# Altium PCB PROC114E3_BRD.PcbDoc (part 10 of 18) (continued)
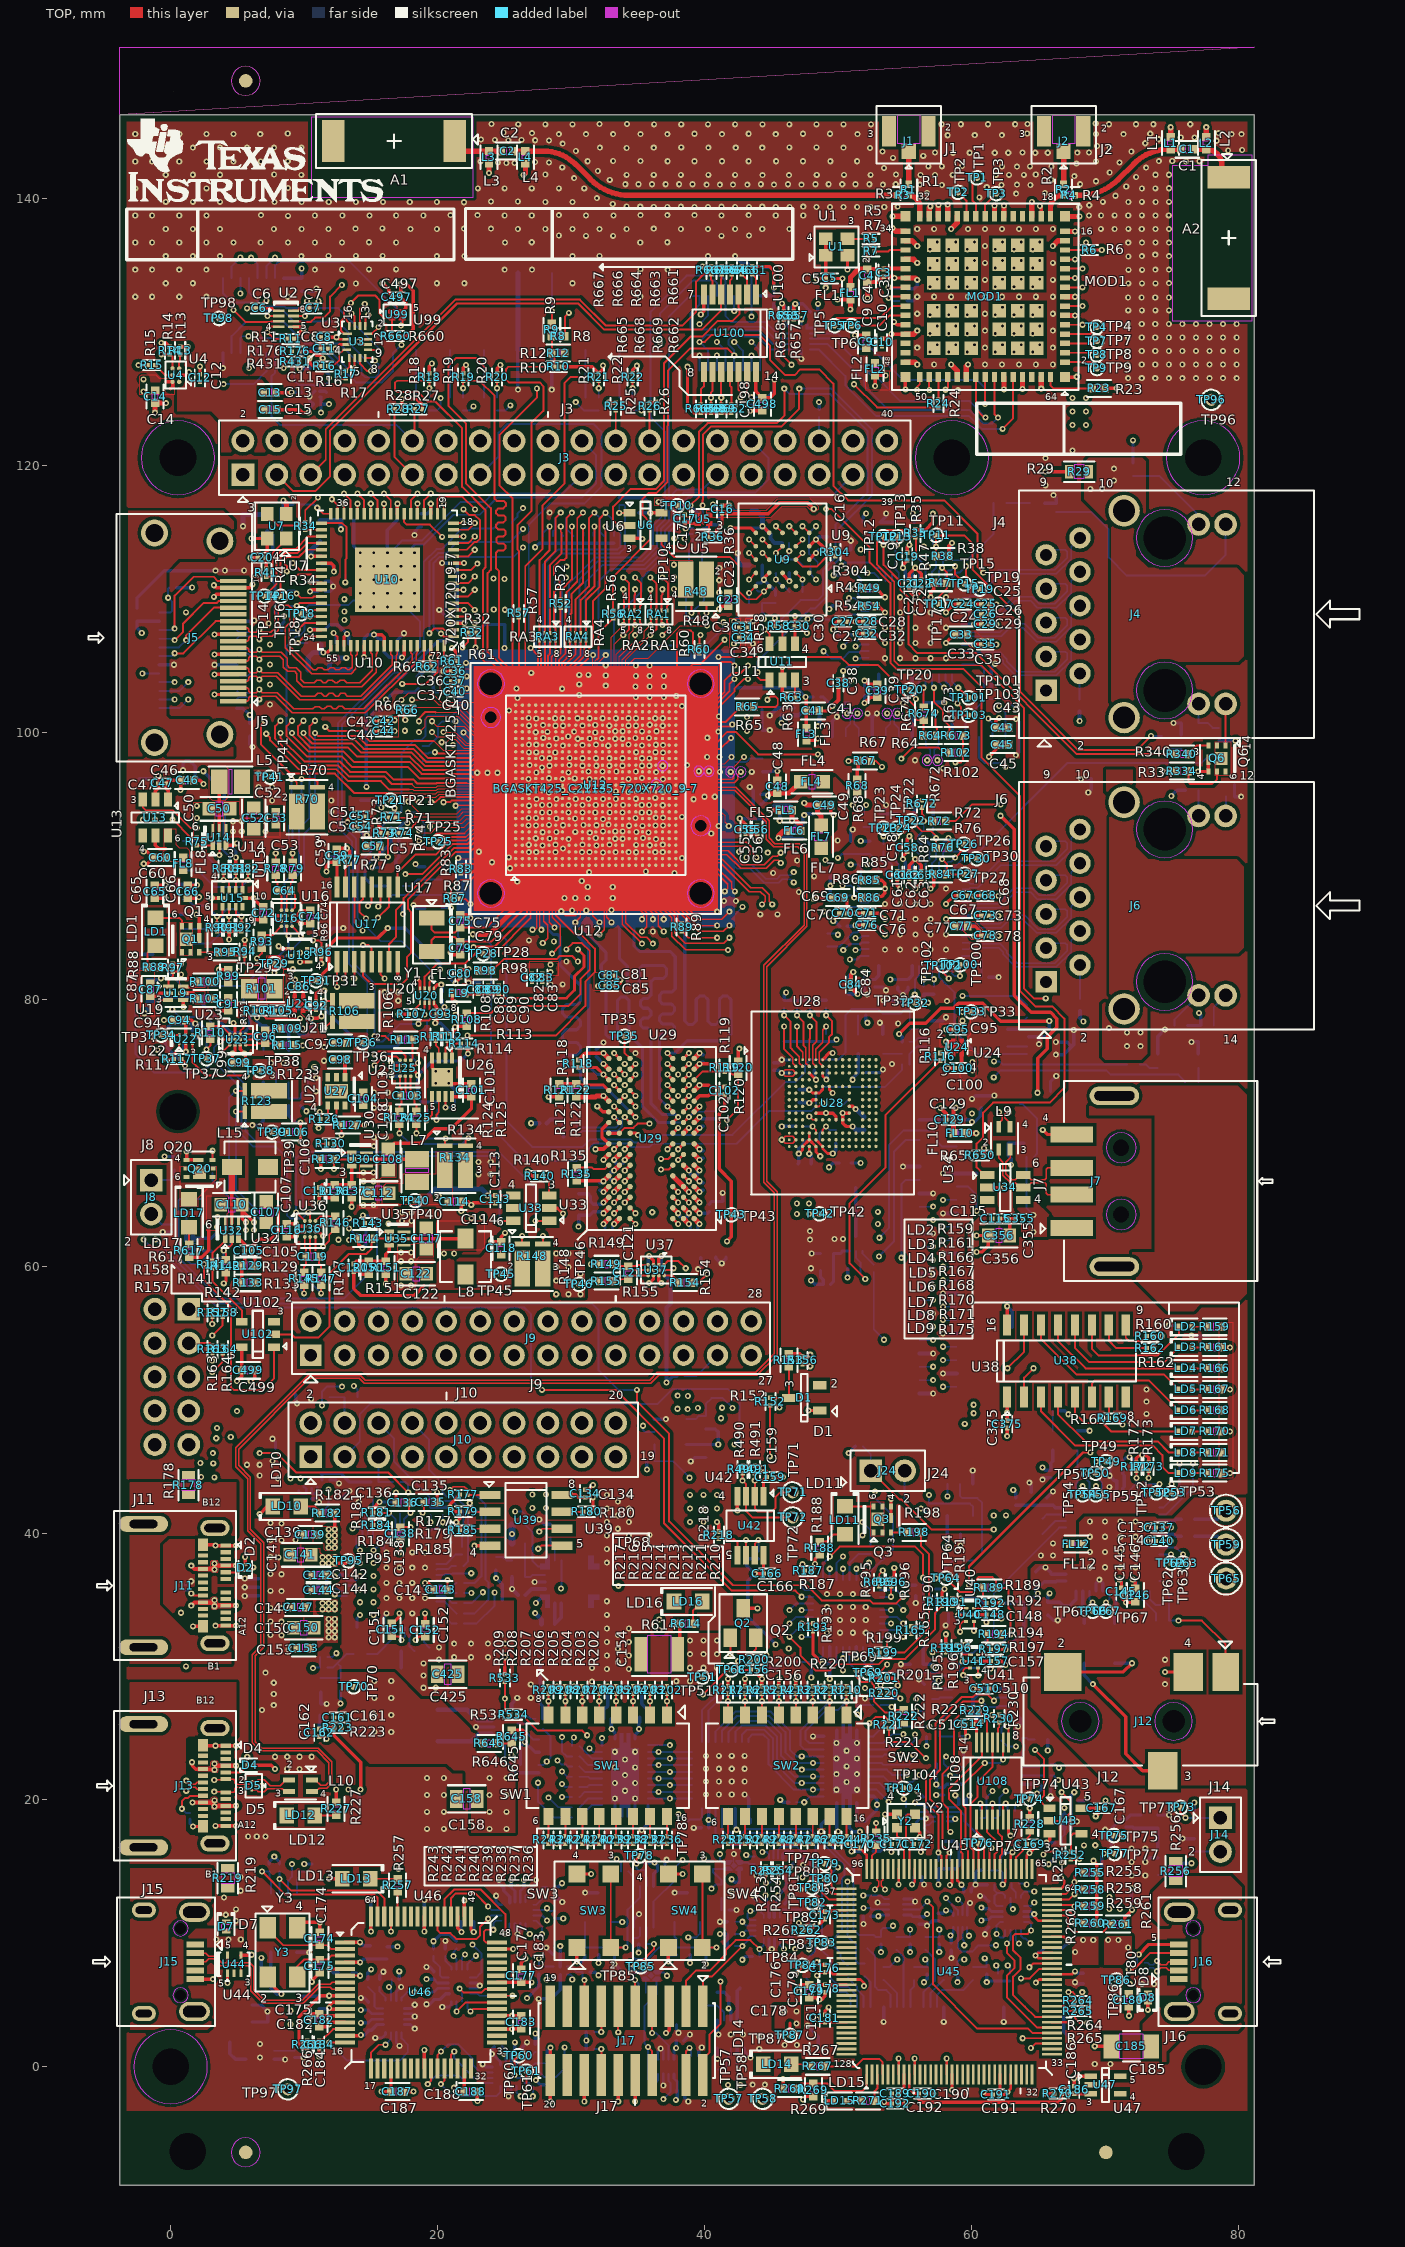
[diagram p0: TOP view]
## Nets (pads, with @x,y where several pads share a name; then routed paths per layer and width w, separated by ;. In a path a pad name is that pad's centre, name@x,y a point inside that pad or via, vN(x,y) a via of type N, cw(c..) or ccw(c..) an arc to the next point about the centre after c; other vN are vias at no path point) (continued)
  L08_SIG2 w0.091: v1(12.832,133.537) 13.176,133.194 20.881,133.194 21.939,132.136 31.314,132.136 33.282,134.103 43.012,134.103 44.351,135.442 v1(52.238,135.442)
N19066697:  | length 7.8
  TOP w0.081: 31.361,101.545 31.611,101.795 31.611,102.155 31.694,102.239 31.694,103.986 31.813,104.105 31.813,105.358 31.922,105.466
  TOP w0.147: 31.922,105.466 32.069,105.613 32.069,107.458 33.166,108.555 33.166,108.568
N19066711:  | length 1.3
  TOP w0.102: 33.86,101.045 34.302,101.045 v1(34.318,101.061)
  BOTTOM w0.147: v1(34.318,101.061) 34.318,101.875
N19066744:  | length 5.4
  TOP w0.081: v1(30.625,104.313) 31.138,103.8 31.138,102.592 30.86,102.314 30.86,102.045
  BOTTOM w0.147: v1(30.625,104.313) 30.625,107.116
N19619538:  | length 9
  TOP w0.406: 67.763,140.257 68.389,140.26 ccw(c68.053,144.91) 68.838,140.314 ccw(c68.16,144.281) 71.005,141.435 72.184,142.615 cw(c74.803,139.996) 73.092,143.281 cw(c74.825,139.955) 74.825,143.705 74.946,143.705 75.693,143.705
N19619542:  | length 4.2
  TOP w0.406: 76.673,143.705 77.615,143.705 cw(c77.615,142.577) 78.413,143.374 78.44,143.347 cw(c77.606,142.512) 78.786,142.512 78.787,141.609 79.297,141.609
N19619546:  | length 4.2
  TOP w0.406: 21.296,144.318 21.346,144.268 21.346,143.565 23.853,143.565 24.783,143.565
N19619550:  | length 29.8
  TOP w0.406: 25.763,143.565 26.578,143.565 26.585,143.558 27.976,143.558 cw(c27.976,140.231) 30.329,142.583 31.451,141.461 ccw(c34.358,144.367) 34.358,140.257 54.477,140.257
N19738714:  | length 1.9
  TOP w0.147: 39.137,33.208 39.137,34.172 39.824,34.859
N19738757: 
N19738770:  | length 1.4
  TOP w0.147: 3.144,67.968 v1(3.144,68.652)
  BOTTOM w0.147: 3.144,67.968 v1(3.144,68.652)
N19738786:  | length 1.3
  TOP w0.147: 1.389,61.642 1.389,62.903
N19859568:  | length 4.4
  BOTTOM w0.356: 20.017,26.761 22.236,26.761 23.031,25.965 24.049,25.965
N19859570:  | length 4.3
  BOTTOM w0.356: 20.017,24.391 22.537,24.391 23.111,24.966 24.049,24.966
N19859674:  | length 1.9
  BOTTOM w0.147: 25.049,24.065 25.049,22.878 25.275,22.652 25.628,22.652
N19859676:  | length 1.5
  BOTTOM w0.147: 25.974,25.715 26.921,25.715 27.317,25.319 27.33,25.319
N19859678:  | length 1.4
  BOTTOM w0.147: 25.974,26.216 26.842,26.216 26.977,26.081 27.33,26.081
N19859810:  | length 1.9
  BOTTOM w0.147: 25.974,25.216 26.48,25.216 27.156,24.539 27.61,24.539
N19880817:  | length 17.3
  TOP w0.147: 36.86,94.045 36.86,93.656 v1(36.905,93.612) ; v1(51.119,94.549) 51.449,94.879 51.449,95.507
  L03_SIG1 w0.091: v1(36.905,93.612) 37.334,94.041 38.647,94.041 38.876,93.812 41.797,93.812 42.457,93.152 43.409,93.152 43.59,93.334 43.598,93.334 43.645,93.381 45.074,93.381 45.582,93.889 46.699,93.889 47.233,93.355 48.496,93.355 49.69,94.549 v1(51.119,94.549)
N19880821:  | length 9.6
  TOP w0.147: 37.86,94.545 38.741,94.545 v1(39.192,94.996)
  BOTTOM w0.147: v1(39.192,94.996) 39.192,95.4 38.964,95.628 38.964,97.18 39.563,97.78 43.127,97.78 43.384,98.037 44.363,98.037
N19885322:  | length 4.7
  BOTTOM w0.147: 63.635,72.161 63.838,72.161 64.923,71.077 64.923,69.21 64.923,68.404 64.713,68.194
N20055845:  | length 6.7
  TOP w0.102: v1(30.483,101.061) 30.845,101.061 30.86,101.045
  BOTTOM w0.147: 29.863,107.116 29.863,106.763 30.193,106.433 30.193,101.351 v1(30.483,101.061)
N20063254:  | length 2.2
  TOP w0.147: 11.804,127.43 12.157,127.43 12.635,127.908 12.635,128.327 12.98,128.672 13.194,128.672
N20063258:  | length 1.1
  TOP w0.147: 13.12,127.112 13.39,127.382 13.39,127.597 13.394,127.601 13.394,128.072
N20066520:  | length 2.1
  BOTTOM w0.147: 55.008,42.599 55.008,44.667
N20174887:  | length 1.5
  BOTTOM w0.147: 66.107,47.662 66.107,49.157
N20174906:  | length 1.5
  BOTTOM w0.147: 67.957,44.702 67.957,46.212
N20175146:  | length 3.7
  TOP w0.147: 7.177,111.693 7.518,111.693 7.628,111.804 7.628,113.434 8.677,114.483 8.677,114.533
N20190775:  | length 11
  TOP w0.102: 27.361,99.545 v1(27.361,100.013)
  TOP w0.147: v1(22.842,106.362) 22.842,107.473
  L08_SIG2 w0.091: v1(22.842,106.362) 24.335,106.362 26.453,104.244 26.453,100.409 26.849,100.013 v1(27.361,100.013)
N20251391:  | length 1.7
  TOP w0.147: 43.574,134.357 43.86,134.07 43.86,132.821
N20251396:  | length 1.7
  TOP w0.147: 42.812,134.357 42.812,134.344 43.21,133.946 43.21,132.821
N20251401:  | length 2.5
  TOP w0.147: 41.91,127.021 41.91,125.984 42.022,125.872 42.022,124.532
N20252184:  | length 1.6
  TOP w0.147: 41.91,132.821 41.91,133.864 42.05,134.004 42.05,134.357
N20252766:  | length 2.6
  TOP w0.147: 39.736,124.532 39.736,125.715 39.96,125.939 39.96,127.021
N20284264:  | length 1.9
  BOTTOM w0.147: 1.186,62.092 1.186,64.04
N20285916:  | length 2.1
  TOP w0.147: 3.129,60.396 3.129,60.965 4.086,61.921 4.086,62.099
N20329347:  | length 2.1
  TOP w0.147: v1(59.161,81.754) 59.161,82.582
  BOTTOM w0.147: 58.567,82.503 58.567,81.921 58.734,81.754 v1(59.161,81.754)
N20329618:  | length 2.3
  TOP w0.147: v1(59.026,103.349) 59.495,102.88 59.521,102.88 59.806,102.595
  BOTTOM w0.147: 58.567,104.347 58.567,103.809 v1(59.026,103.349)
N20329675:  | length 2.2
  TOP w0.147: 57.895,82.521 57.895,81.977 v1(58.311,81.561)
  BOTTOM w0.147: 58.066,82.503 58.066,81.806 v1(58.311,81.561)
N20329693:  | length 4
  TOP w0.147: v1(58.961,102.181) 59.247,101.895 59.247,101.429 59.402,101.274 59.806,101.274
  BOTTOM w0.147: 58.066,104.347 58.066,103.84 58.417,103.49 58.417,102.725 v1(58.961,102.181)
N20467051:  | length 3.2
  BOTTOM w0.147: 58.554,26.381 58.103,26.381 57.627,25.905 57.627,24.754 58.599,24.754
N20467204:  | length 2.7
  BOTTOM w0.147: 63.818,23.118 63.818,23.584 63.983,23.749 63.983,24.13 63.799,24.313 63.799,24.641 64.152,24.641 64.279,24.514 64.756,24.514
N20497775:  | length 2.4
  TOP w0.147: 41.089,39.562 42.21,39.562 42.476,39.295 42.476,38.345
N20501068:  | length 1.6
  BOTTOM w0.147: 57.049,27.559 57.545,27.559 57.667,27.681 58.554,27.681
N20501071:  | length 1.7
  BOTTOM w0.147: 57.049,26.67 57.41,27.031 58.554,27.031
N20501104:  | length 1.6
  BOTTOM w0.147: 63.818,21.818 65.379,21.818
N20501107:  | length 1.7
  BOTTOM w0.147: 63.818,22.468 65.14,22.468 65.379,22.707
N20501313:  | length 2.2
  BOTTOM w0.147: 55.118,18.895 55.702,18.895 55.905,19.098 57.284,19.098
N20503848:  | length 2.3
  BOTTOM w0.147: 56.914,16.891 56.914,17.445 56.452,17.907 56.439,17.907 56.668,18.136 56.845,18.136 57.108,18.398 57.284,18.398
N20547674:  | length 1.8
  TOP w0.147: v1(60.679,19.744) 60.794,19.63 60.794,18.512
  BOTTOM w0.147: 60.679,19.185 v1(60.679,19.744)
N20547852:  | length 1.8
  TOP w0.147: 61.594,18.512 v1(61.594,19.744)
  BOTTOM w0.147: 61.594,19.185 v1(61.594,19.744)
N20548002:  | length 2
  TOP w0.147: 62.394,18.512 62.394,19.554 v1(62.584,19.744)
  BOTTOM w0.147: v1(62.584,19.744) 62.712,19.616 62.712,19.152
N20548130:  | length 2.1
  TOP w0.147: v1(62.706,25.5) 62.794,25.413 62.794,24.312
  BOTTOM w0.147: 62.253,25.009 62.253,25.353 62.4,25.5 v1(62.706,25.5)
N20548208:  | length 1.5
  TOP w0.147: 61.994,24.312 61.994,25.353 62.098,25.457 62.098,25.81
N20548250:  | length 2.7
  TOP w0.147: 60.576,26.665 60.588,26.665 60.837,26.416 60.934,26.416 61.194,26.157 61.194,24.312
N29443647:  | length 3.9
  TOP w0.147: 65.94,126.629 65.94,125.994 66.144,125.791 69.075,125.791
N29443870:  | length 1.7
  TOP w0.147: 57.54,124.921 57.54,126.629
OLDI_RESETN:  | length 30.6
  L08_SIG2 w0.091: v1(54.762,60.63) 54.47,60.338 54.47,48.374 56.841,46.004 v1(56.841,42.845)
  BOTTOM w0.147: v1(54.762,60.63) 54.762,66.142 55.08,66.459 56.112,66.459 ; v1(56.841,42.845) 56.841,42.204 59.904,42.204 60.113,41.995 60.113,41.293
OSC0:  | length 5
  TOP w0.147: 55.358,14.837 55.358,16.355 55.665,16.662 55.625,16.662 55.107,17.181 55.107,18.768 55.254,18.915 55.781,18.915
OSC1:  | length 3.3
  TOP w0.147: 54.432,17.915 54.432,17.322 54.574,17.18 54.574,16.662 54.958,16.278 54.958,14.837
OSPI0_CSN0:  | length 1.2
  TOP w0.102: 28.36,101.045 28.769,101.045 28.785,101.061 v1(28.818,101.061)
  BOTTOM w0.147: v1(28.818,101.061) 28.818,101.789
OSPI0_LBCLK:  | length 33
  TOP w0.147: 29.228,109.926 29.228,110.623 30.069,111.464 v1(30.069,115.428)
  L03_SIG1 w0.091: v1(30.069,115.428) 30.069,115.923 29.61,116.381 29.61,117.767 29.702,117.859 47.998,117.859 48.64,117.216 48.64,115.738 v1(48.357,115.455)
  BOTTOM w0.147: v1(48.357,115.455) 47.857,114.955 47.857,113.383 48.496,112.744 48.496,112.526
OSPI_CLK:  | length 36.5
  TOP w0.081: 29.111,104.502 29.111,104.098 28.989,103.977 28.989,102.464 29.111,102.342 29.111,101.795 29.361,101.545
  TOP w0.147: 29.111,104.502 29.111,105.438 29.596,105.923 29.596,109 29.67,109.073 29.67,110.508 30.473,111.311 30.473,116.041 v1(30.903,116.471)
  L03_SIG1 w0.091: v1(30.903,116.471) 31.446,115.929 31.834,115.929 32.201,115.561 32.201,115.227 32.521,114.907 44.56,114.907 45.794,113.673 45.794,111.892 v1(45.357,111.455)
  BOTTOM w0.147: 45.341,111.92 45.357,111.936 v1(45.357,111.455) 45.853,110.959 45.974,110.959 46.377,110.556 46.377,110.518
OSPI_CS:  | length 38.9
  TOP w0.147: 46.857,112.955 47.382,112.43 48.431,112.43 49.224,113.224 49.819,113.224
  L03_SIG1 w0.091: v1(29.665,112.425) 30.579,113.34 38.525,113.34 40.838,111.027 45.944,111.027 46.159,110.812 48.541,110.812 49.134,111.404 49.134,112.985 49.04,113.079 47.733,113.079 v1(47.357,113.455)
  BOTTOM w0.147: 28.818,102.349 28.818,112.122 29.121,112.425 v1(29.665,112.425)
OSPI_DQ0:  | length 35.3
  TOP w0.147: 27.645,107.459 27.645,112.917 28.4,113.672 v1(28.4,115.428) ; v1(45.357,113.455) 45.857,113.955
  L03_SIG1 w0.091: v1(28.4,115.428) 28.4,113.742 28.609,113.533 41.379,113.533 41.487,113.425 41.487,112.136 41.624,112 42.306,112 42.387,112.08 42.387,112.381 42.467,112.462 42.581,112.462 42.661,112.381 42.661,112.08 42.741,112 42.855,112 42.935,112.08 42.935,112.381 43.015,112.462 43.129,112.462 43.209,112.381 43.209,112.08 43.29,112 43.404,112 43.484,112.08 43.484,112.381 43.564,112.462 43.678,112.462 43.758,112.381 43.758,112.08 43.838,112 43.952,112 44.032,112.08 44.032,112.381 44.113,112.462 44.226,112.462 44.307,112.381 44.307,112.08 44.387,112 44.501,112 44.581,112.08 44.581,112.381 44.661,112.462 44.775,112.462 44.855,112.381 44.855,112.08 44.936,112 45.428,112 45.52,112.091 45.52,112.917 45.357,113.079 v1(45.357,113.455)
  BOTTOM w0.147: 27.888,114.726 27.888,114.916 v1(28.4,115.428)
OSPI_DQ1:  | length 35.4
  TOP w0.147: 28.844,107.459 28.844,107.787 28.74,107.891 28.74,110.552 29.128,110.94 29.128,111.397 28.74,111.785 28.74,112.446 29.23,112.936 29.506,112.936 29.653,113.083 29.653,116.056 v1(30.069,116.471)
  L03_SIG1 w0.091: v1(30.069,116.471) 30.069,116.847 29.989,116.928 29.895,116.928 29.803,117.019 29.803,117.574 29.895,117.665 47.674,117.665 47.822,117.518 47.822,116.529 48.195,116.155 48.195,115.952 47.822,115.579 47.822,114.544 47.733,114.455 v1(47.357,114.455)
  BOTTOM w0.147: v1(30.069,116.471) 29.638,116.041 29.638,115.275 30.174,114.739 30.174,114.726
OSPI_DQ2:  | length 34.8
  TOP w0.147: 28.444,107.459 28.444,112.567 29.279,113.401 29.279,114.98 29.234,115.024 v1(29.234,115.428)
  L03_SIG1 w0.091: v1(29.234,115.428) 29.234,115.052 29.154,114.972 28.683,114.972 28.603,114.891 28.603,114.778 28.683,114.697 29.154,114.697 29.234,114.617 29.234,114.503 29.154,114.423 28.683,114.423 28.603,114.343 28.603,114.229 28.683,114.149 29.154,114.149 29.234,114.068 29.234,113.867 29.376,113.726 41.61,113.726 41.702,113.635 41.702,112.8 41.818,112.684 42.061,112.684 42.141,112.764 42.141,112.984 42.222,113.064 42.335,113.064 42.416,112.984 42.416,112.764 42.496,112.684 42.61,112.684 42.69,112.764 42.69,112.984 42.77,113.064 42.884,113.064 42.964,112.984 42.964,112.764 43.045,112.684 43.158,112.684 43.239,112.764 43.239,112.984 43.319,113.064 43.433,113.064 43.513,112.984 43.513,112.764 43.593,112.684 43.707,112.684 43.787,112.764 43.787,112.984 43.868,113.064 43.981,113.064 44.062,112.984 44.062,112.764 44.142,112.684 44.256,112.684 44.336,112.764 44.336,112.984 44.416,113.064 44.53,113.064 44.61,112.984 44.61,112.764 44.691,112.684 44.909,112.684 45,112.775 45,113.27 44.906,113.364 44.906,113.931 44.815,114.022 44.449,114.022 44.357,113.931 v1(44.357,113.455)
  BOTTOM w0.147: v1(29.234,115.428) 29.234,114.904 29.412,114.726
OSPI_DQ3:  | length 36.1
  TOP w0.147: 28.045,107.459 28.045,112.783 28.831,113.569 28.831,116.068 v1(29.234,116.471) ; v1(44.357,114.455) 44.857,113.955
  L03_SIG1 w0.091: v1(29.234,116.471) 29.653,116.053 29.653,115.286 29.427,115.06 29.427,114.128 29.636,113.919 29.973,113.919 30.054,114 30.054,114.944 30.134,115.025 30.248,115.025 30.328,114.944 30.328,114 30.408,113.919 30.522,113.919 30.602,114 30.602,114.944 30.682,115.025 30.796,115.025 30.876,114.944 30.876,114 30.957,113.919 31.071,113.919 31.151,114 31.151,114.944 31.231,115.025 31.345,115.025 31.425,114.944 31.425,114 31.505,113.919 43.822,113.919 v1(44.357,114.455)
  BOTTOM w0.147: 28.65,114.726 28.65,115.08 28.809,115.239 28.809,116.046 v1(29.234,116.471)
OSPI_DQ4:  | length 33.7
  TOP w0.147: 30.727,107.459 30.727,109.912 31.752,110.937 v1(31.752,115.428)
  L03_SIG1 w0.091: v1(31.752,115.428) 31.752,114.227 31.866,114.112 32.21,114.112 32.291,114.193 32.291,114.553 32.371,114.633 32.485,114.633 32.565,114.553 32.565,114.193 32.645,114.112 32.759,114.112 32.839,114.193 32.839,114.553 32.919,114.633 33.033,114.633 33.113,114.553 33.113,114.193 33.194,114.112 33.308,114.112 33.388,114.193 33.388,114.553 33.468,114.633 33.582,114.633 33.662,114.553 33.662,114.193 33.742,114.112 33.856,114.112 33.936,114.193 33.936,114.553 34.017,114.633 34.13,114.633 34.211,114.553 34.211,114.193 34.291,114.112 34.405,114.112 34.485,114.193 34.485,114.553 34.565,114.633 34.679,114.633 34.759,114.553 34.759,114.193 34.84,114.112 35.832,114.112 35.912,114.193 35.912,114.528 35.992,114.609 36.106,114.609 36.186,114.528 36.186,114.193 36.267,114.112 36.38,114.112 36.461,114.193 36.461,114.528 36.541,114.609 36.655,114.609 36.735,114.528 36.735,114.193 36.815,114.112 36.929,114.112 37.009,114.193 37.009,114.528 37.09,114.609 37.203,114.609 37.284,114.528 37.284,114.193 37.364,114.112 38.948,114.112 39.029,114.193 39.029,114.532 39.109,114.613 39.223,114.613 39.303,114.532 39.303,114.193 39.383,114.112 39.497,114.112 39.577,114.193 39.577,114.532 39.658,114.613 39.771,114.613 39.852,114.532 39.852,114.193 39.932,114.112 40.046,114.112 40.126,114.193 40.126,114.532 40.206,114.613 40.32,114.613 40.4,114.532 40.4,114.193 40.48,114.112 40.594,114.112 40.675,114.193 40.675,114.532 40.755,114.613 40.869,114.613 40.949,114.532 40.949,114.193 41.029,114.112 41.143,114.112 41.223,114.193 41.223,114.532 41.303,114.613 41.417,114.613 41.498,114.532 41.498,114.193 41.578,114.112 41.692,114.112 41.772,114.193 41.772,114.532 41.852,114.613 41.966,114.613 42.046,114.532 42.046,114.193 42.126,114.112 43.015,114.112 v1(43.357,114.455)
  BOTTOM w0.147: 31.698,114.726 31.698,114.97 31.752,115.024 v1(31.752,115.428)
OSPI_DQ5:  | length 36.7
  TOP w0.147: 31.127,107.459 31.127,109.896 32.155,110.924 32.155,116.033 v1(32.586,116.464) ; v1(45.357,115.455) 45.857,114.955
  L03_SIG1 w0.091: v1(32.586,116.464) 32.292,116.464 32.201,116.555 32.201,116.953 32.299,117.051 34.275,117.051 34.355,116.971 34.355,116.236 34.436,116.156 34.549,116.156 34.63,116.236 34.63,116.971 34.71,117.051 34.824,117.051 34.904,116.971 34.904,116.236 34.984,116.156 35.098,116.156 35.178,116.236 35.178,116.971 35.259,117.051 35.474,117.051 35.565,116.96 35.565,116.303 35.8,116.068 36.997,116.068 37.077,116.148 37.077,116.301 37.157,116.381 37.271,116.381 37.351,116.301 37.351,116.148 37.432,116.068 37.546,116.068 37.626,116.148 37.626,116.301 37.706,116.381 37.82,116.381 37.9,116.301 37.9,116.148 37.98,116.068 38.094,116.068 38.174,116.148 38.174,116.301 38.255,116.381 38.368,116.381 38.449,116.301 38.449,116.148 38.529,116.068 38.643,116.068 38.723,116.148 38.723,116.301 38.803,116.381 38.917,116.381 38.997,116.301 38.997,116.148 39.078,116.068 39.191,116.068 39.272,116.148 39.272,116.301 39.352,116.381 39.466,116.381 39.546,116.301 39.546,116.148 39.626,116.068 39.74,116.068 39.82,116.148 39.82,116.301 39.901,116.381 40.014,116.381 40.095,116.301 40.095,116.148 40.175,116.068 40.289,116.068 40.369,116.148 40.369,116.301 40.449,116.381 40.563,116.381 40.643,116.301 40.643,116.148 40.724,116.068 40.837,116.068 40.918,116.148 40.918,116.301 40.998,116.381 41.112,116.381 41.192,116.301 41.192,116.148 41.272,116.068 41.386,116.068 41.466,116.148 41.466,116.301 41.547,116.381 41.66,116.381 41.741,116.301 41.741,116.148 41.821,116.068 41.935,116.068 42.015,116.148 42.015,116.301 42.095,116.381 42.209,116.381 42.289,116.301 42.289,116.148 42.369,116.068 42.483,116.068 42.564,116.148 42.564,116.301 42.644,116.381 42.758,116.381 42.838,116.301 42.838,116.148 42.918,116.068 45.834,116.068 45.926,115.976 45.926,115.631 45.749,115.455 v1(45.357,115.455)
  BOTTOM w0.147: v1(32.586,116.464) 33.086,115.964 33.086,115.261 33.222,115.125 33.222,114.726
OSPI_DQ6:  | length 36.5
  TOP w0.147: 30.328,107.459 30.328,108.796 30.333,108.801 30.333,109.935 31.345,110.947 31.345,116.065 v1(31.752,116.471) ; v1(46.357,115.455) 46.857,114.955
  L03_SIG1 w0.091: v1(31.752,116.471) 31.311,116.912 31.311,117.188 31.403,117.279 35.75,117.279 36.403,116.627 42.206,116.627 42.859,117.279 43.095,117.279 43.233,117.141 43.233,116.629 43.372,116.491 43.567,116.491 43.706,116.629 43.706,117.141 43.844,117.279 44.04,117.279 44.178,117.141 44.178,116.629 44.317,116.491 44.512,116.491 44.651,116.629 44.651,117.141 44.789,117.279 44.985,117.279 45.123,117.141 45.123,116.629 45.262,116.491 45.457,116.491 45.596,116.629 45.596,117.141 45.734,117.279 45.93,117.279 46.068,117.141 46.068,116.629 46.206,116.491 46.402,116.491 46.54,116.629 46.54,117.141 46.679,117.279 46.803,117.279 46.954,117.128 46.954,116.052 v1(46.357,115.455)
  BOTTOM w0.147: v1(31.752,116.471) 32.182,116.041 32.182,115.017 32.46,114.739 32.46,114.726
OSPI_DQ7:  | length 31
  TOP w0.147: 29.928,107.459 29.928,107.476 29.965,107.513 29.965,108.85 30.038,108.923 30.038,110.356 30.903,111.221 v1(30.903,115.428) ; v1(47.357,115.455) 47.857,114.955
  L03_SIG1 w0.091: v1(30.903,115.428) 30.479,115.852 30.479,117.127 30.825,117.472 35.83,117.472 36.421,116.881 37.697,116.881 38.288,117.472 46.939,117.472 47.357,117.054 v1(47.357,115.455)
  BOTTOM w0.147: v1(30.903,115.428) 30.903,115.024 30.936,114.991 30.936,114.726
OSPI_DQS:  | length 3.3
  TOP w0.147: 45.857,112.955 46.357,113.455 v1(46.357,113.587)
  BOTTOM w0.147: 46.357,114.212 v1(46.357,113.587) 46.357,112.944 46.946,112.944 47.364,112.526 47.376,112.526
OSPI_DQS_SOC:  | length 34.6
  TOP w0.081: 29.86,101.545 30.109,101.794 30.109,102.795 30.266,102.952 30.266,104.515 30.449,104.697
  TOP w0.147: 30.449,104.697 31.267,105.516 31.267,106.154 31.642,106.529 31.642,109.831 32.586,110.775 v1(32.586,115.428)
  L03_SIG1 w0.091: v1(32.586,115.428) 33.026,115.868 44.476,115.868 44.733,115.611 44.733,115.359 45.422,114.67 45.806,114.67 46.851,113.625 46.851,112.961 v1(48.357,111.455)
  BOTTOM w0.147: 47.936,112.526 47.936,111.876 v1(48.357,111.455)
OSPI_INTN:  | length 32
  TOP w0.102: 29.361,100.045 29.361,100.44 29.405,100.484 v1(29.405,100.502)
  L03_SIG1 w0.091: v1(29.631,111.597) 30.085,111.144 39.533,111.144 40.612,110.065 40.612,108.477 41.311,107.778 43.587,107.778 43.759,107.95 43.785,107.95 44.004,108.17 44.11,108.17 v1(44.452,108.511)
  BOTTOM w0.147: v1(29.405,100.502) 29.918,101.016 29.918,105.882 29.346,106.455 29.346,111.312 v1(29.631,111.597) ; v1(44.452,108.511) 44.452,108.915 44.332,109.035 44.332,109.706 45.332,109.706
OSPI_RSTN:  | length 11.8
  TOP w0.147: 36.794,114.559 36.794,114.082 37.719,113.157 41.91,113.157 42.545,112.522 42.545,110.617 43.18,109.982 43.887,109.982 v1(44.469,110.564)
  BOTTOM w0.147: 43.955,110.639 44.03,110.564 v1(44.469,110.564)
P2_PP_EXT_ENABLE:  | length 3.3
  BOTTOM w0.147: 14.699,30.928 15.464,30.928 16.77,32.235 16.77,32.915
PD_GPIO0:  | length 12
  L03_SIG1 w0.091: v1(12.421,30.988) 13.64,32.207 v1(13.64,40.335)
  BOTTOM w0.147: 11.737,30.692 12.125,30.692 v1(12.421,30.988) ; v1(13.64,40.335) 14.181,40.335 14.37,40.146 14.37,39.615
PD_GPIO2:  | length 3.3
  BOTTOM w0.147: 14.873,42.771 15.17,42.474 15.17,39.615
PD_HRESET:  | length 1.8
  BOTTOM w0.147: 18.77,32.915 18.77,32.409 18.988,32.192 18.988,31.811 19.394,31.405
PD_I2C_IRQ:  | length 2.5
  TOP w0.147: 53.103,36.017 53.992,36.017 v1(53.992,35.221)
  BOTTOM w0.147: 53.141,35.221 v1(53.992,35.221)
PD_M_I2C3_IRQ:  | length 1.9
  BOTTOM w0.147: 17.17,39.615 17.17,41.467
PD_M_I2C3_SCL:  | length 39.6
  TOP w0.147: v1(3.118,54.797) 3.9,55.579 3.9,56.219 ; 15.73,40.599 v1(16.37,40.599)
  L08_SIG2 w0.091: v1(3.118,54.797) 2.576,55.339 -1.636,55.339 -2.68,54.295 -2.68,45.744 1.272,41.793 7.99,41.793 8.655,41.128 15.466,41.128 15.994,40.599 v1(16.37,40.599)
  BOTTOM w0.147: 16.37,39.615 v1(16.37,40.599)
PD_M_I2C3_SDA:  | length 37.2
  TOP w0.147: v1(3.118,52.054) 3.9,52.837 3.9,53.477 ; 15.73,41.514 v1(16.37,41.514)
  L08_SIG2 w0.091: v1(3.118,52.054) 2.373,52.799 -1.636,52.799 -2.294,52.141 -2.294,45.904 1.432,42.179 8.15,42.179 8.815,41.514 v1(16.37,41.514)
  BOTTOM w0.147: v1(16.37,41.514) 16.854,41.03 16.854,40.269 16.77,40.185 16.77,39.615
PD_MS_I2C1_IRQ:  | length 1.3
  BOTTOM w0.147: 19.92,38.865 20.628,38.865 21.044,39.282 21.044,39.32
PD_MS_I2C1_SCL:  | length 44.7
  TOP w0.147: v1(3.118,55.661) 3.118,56.199 3.138,56.219
  L08_SIG2 w0.091: v1(3.118,55.661) 2.989,55.532 -1.716,55.532 -2.873,54.375 -2.873,45.664 1.192,41.6 5.035,41.6 6.29,40.345 8.899,40.345 9.489,40.935 15.25,40.935 15.961,40.223 16.551,40.223 17.283,40.956 17.283,41.359 17.814,41.89 19.04,41.89 19.481,41.449 v1(19.481,40.806)
  BOTTOM w0.147: 18.77,39.615 18.77,40.095 v1(19.481,40.806) 19.481,41.365
PD_MS_I2C1_SDA:  | length 41.1
  TOP w0.147: v1(3.118,52.918) 3.138,52.938 3.138,53.477
  L08_SIG2 w0.091: v1(3.118,52.918) 3.044,52.992 -1.716,52.992 -2.487,52.221 -2.487,45.824 1.352,41.986 8.07,41.986 8.735,41.321 15.575,41.321 15.758,41.138 16.753,41.138 17.697,42.083 19.12,42.083 v1(20.396,40.806)
  BOTTOM w0.147: 19.17,39.615 19.17,39.867 19.597,40.295 19.884,40.295 v1(20.396,40.806) 20.396,41.365
PD_S_I2C2_IRQ:  | length 50.2
  TOP w0.147: 53.103,36.577 53.103,36.923 v1(53.365,37.186)
  L08_SIG2 w0.091: v1(22.53,36.982) 22.53,36.932 21.692,36.093 21.692,35.128 22.047,34.773 24.587,34.773 25.019,35.204 25.019,35.916 26.01,36.906 27.711,36.906 28.118,37.313 34.036,37.313 36.881,40.157 36.881,44.526 38.227,45.872 42.774,45.872 43.231,46.33 45.466,46.33 51.46,40.335 52.273,40.335 53.365,39.243 v1(53.365,37.186)
  BOTTOM w0.147: 19.92,36.865 20.507,36.865 20.574,36.932 21.082,36.932 21.133,36.982 v1(22.53,36.982)
PD_S_I2C2_SCL:  | length 2.2
  BOTTOM w0.147: 19.92,37.665 20.636,37.665 21.375,38.404 21.477,38.404 21.479,38.406 21.819,38.406
PD_S_I2C2_SDA:  | length 1.6
  BOTTOM w0.147: 19.92,37.265 19.942,37.287 20.807,37.287 21.035,37.515 21.388,37.515
PD_SPI_CLK:  | length 47.8
  TOP w0.147: v1(27.624,40.104) 27.84,40.32 29.333,40.32
  L08_SIG2 w0.091: 1.36,49.159 0.26,48.059 0.26,44.112 1.748,42.625 8.351,42.625 9.048,41.928 14.517,41.928 15.399,42.809 16.463,42.809 16.651,42.621 21.336,42.621 22.174,41.783 23.241,41.783 23.901,42.443 25.908,42.443 26.913,41.439 26.913,40.815 v1(27.624,40.104) 28.016,39.711 28.016,38.659 27.432,38.075 24.892,38.075 23.622,36.805 23.622,35.789 v1(23.393,35.56)
  BOTTOM w0.147: 21.973,34.747 22.58,34.747 v1(23.393,35.56)
PD_SPI_MISO:  | length 40.8
  TOP w0.147: v1(22.413,42.236) 22.219,42.042 22.219,41.59 23.933,41.59
  L08_SIG2 w0.091: 1.36,51.699 2.554,50.505 2.554,46.257 1.816,45.519 1.807,45.519 1.716,45.428 1.716,44.206 2.911,43.011 11.471,43.011 11.828,42.654 13.576,42.654 14.529,43.607 21.619,43.607 22.413,42.813 v1(22.413,42.236)
  BOTTOM w0.147: 21.973,36.271 22.809,36.271 23.292,36.754 23.292,41.358 v1(22.413,42.236)
PD_SPI_MOSI:  | length 46.5
  TOP w0.147: v1(27.548,38.823) 27.775,39.05 29.333,39.05
  L08_SIG2 w0.091: -1.18,49.159 -0.08,48.059 -0.08,44.097 1.585,42.432 8.214,42.432 8.912,41.735 15.799,41.735 16.493,42.428 21.104,42.428 22.029,41.504 23.416,41.504 24.031,42.118 25.849,42.118 26.365,41.602 26.365,40.537 27.548,39.354 v1(27.548,38.823) 27.079,38.354 24.79,38.354 23.343,36.906 23.343,36.319 v1(22.532,35.509)
  BOTTOM w0.147: 21.973,35.509 v1(22.532,35.509)
PD_SPI_SS:  | length 40
  TOP w0.147: v1(20.923,43.221) 21.17,43.467 22.017,43.467 22.219,43.265 22.219,42.86 23.933,42.86
  L08_SIG2 w0.091: 1.36,46.619 1.36,43.342 1.884,42.818 11.333,42.818 11.768,42.384 13.496,42.384 13.579,42.383 14.609,43.414 20.73,43.414 v1(20.923,43.221)
  BOTTOM w0.147: v1(20.923,43.221) 22.51,43.221 23.598,42.133 23.598,36.497 23.825,36.27 23.825,35.023 22.787,33.985 21.973,33.985
PD_VIN_3V3:  | length 1.8
  TOP w0.381: 11.578,35.694 12.002,35.694 12.29,35.405 v1(12.296,35.405)
  BOTTOM w0.147: v1(12.296,35.405) 12.302,35.399 12.312,35.399 12.445,35.265 13.22,35.265
PMIC_STBY:  | length 6.8
  TOP w0.081: 22.112,92.161 22.746,92.795 26.11,92.795 26.36,93.045
  TOP w0.147: 20.036,91.806 20.392,92.161 22.112,92.161
PORZ_OUT:  | length 209.5
  TOP w0.102: 27.86,100.045 v1(28.239,100.045)
  TOP w0.147: -0.718,77.314 v1(0.102,77.314) 0.635,77.314 ; v1(52.363,25.74) 52.849,26.226 53.539,26.226 53.828,25.936 53.828,25.924 ; v1(59.171,32.598) 59.171,33.159 59.374,33.362 59.592,33.362 ; v1(59.399,29.347) 59.399,29.728 59.553,29.882 59.921,29.882
  L03_SIG1 w0.091: v1(0.102,77.314) 0.102,76.58 3.536,73.146 3.536,64.976 0.093,61.533 0.093,45.31 6.601,38.801 6.601,32.988 6.171,32.558 6.171,26.826 7.351,25.646 7.351,21.014 14.441,13.925 14.441,10.179 15.237,9.383 15.457,9.383 18.772,6.068 19.712,6.068 21.172,4.608 24.347,4.608 24.652,4.303 27.395,4.303 31.408,0.29 39.892,0.29 41.035,1.433 42.911,1.433 43.597,2.119 43.597,4.278 47.422,8.103 48.081,8.103 48.97,8.992 48.97,9.575 49.403,10.008 49.403,17.878 52.363,20.838 v1(52.363,25.74) ; v1(5.094,82.128) 5.094,82.668 2.903,84.859 2.903,86.745 3.454,87.296 3.454,88.194 3.403,88.245 3.403,89.682 4.732,91.011 5.166,91.011 5.479,91.324 8.393,91.324 9.868,92.799 9.868,95.464 13.825,99.422 13.825,101.335 15.327,102.837 19.845,102.837 20.208,102.474 20.613,102.474 23.115,99.972 24.868,99.972 26.516,101.62 27.796,101.62 28.411,101.006 28.411,100.592 28.239,100.421 v1(28.239,100.045) ; v1(59.171,32.598) 58.961,32.389 58.961,29.786 v1(59.399,29.347)
  L08_SIG2 w0.091: v1(0.102,77.314) 0.102,77.415 4.815,82.128 v1(5.094,82.128) ; v1(52.363,25.74) 53.111,26.488 53.111,27.838 54.305,29.032 54.915,29.032 55.423,28.524 58.576,28.524 v1(59.399,29.347)
  BOTTOM w0.147: v1(0.102,77.314) 0.406,77.009 0.406,76.756
PP1_CABLE:  | length 1.6
  TOP w0.147: 17.221,40.434 v1(17.97,40.434)
  BOTTOM w0.147: 17.97,39.615 v1(17.97,40.434)
PP2_CABLE:  | length 1.9
  BOTTOM w0.147: 17.97,32.915 17.97,32.409 17.903,32.342 17.903,31.506 18.259,31.151
PR0_PRU0_GPO0:  | length 151.6
  TOP w0.081: 31.361,102.045 31.361,102.314 31.507,102.461 31.507,104.029 31.651,104.173 v1(31.651,105.801)
  L03_SIG1 w0.091: v1(3.189,45.222) 2.838,44.872 1.552,44.872 0.286,46.138 0.286,61.408 3.729,64.851 3.729,73.638 1.614,75.753 1.614,77.684 1.436,77.861 1.436,83.018 0.232,84.222 0.232,91.8 1.36,92.927 1.36,94.724 1.724,95.089 4.226,95.089 7.018,97.881 9.852,97.881 12.263,100.292 12.263,101.958 16.325,106.02 20.381,106.02 20.605,105.795 31.269,105.795 31.275,105.801 v1(31.651,105.801) ; 25.737,45.707 25.033,45.002 25.033,37.831 25.998,36.866 25.998,30.443 24.287,28.732 24.287,24.024 27.026,21.285 v1(27.534,21.285)
  L08_SIG2 w0.091: v1(3.189,45.222) 3.976,45.222 5.114,46.36 8.288,46.36 10.041,44.607 24.637,44.607 25.737,45.707
  BOTTOM w0.147: v1(27.534,21.285) 27.534,19.849 28.695,18.687 30.087,18.687

## Text inside footprints (layer, text, board x,y; h text height)
U50: PIN_NUMBER "6" at -0.957,105.198 h0.25 r180; PIN_NUMBER "14" at 4.741,108.449 h0.25 r180; PIN_NUMBER "19" at 4.741,105.198 h0.25 r180; PIN_NUMBER "24" at 4.741,101.948 h0.25 r180; PIN_NUMBER "11" at -1.059,108.449 h0.25 r180; PIN_NUMBER "2" at -0.957,102.598 h0.25 r180; PIN_NUMBER "16" at 4.741,107.149 h0.25 r180; PIN_NUMBER "18" at 4.741,105.849 h0.25 r180; PIN_NUMBER "8" at -0.957,106.499 h0.25 r180; PIN_NUMBER "7" at -0.957,105.849 h0.25 r180; PIN_NUMBER "13" at 4.741,109.099 h0.25 r180; PIN_NUMBER "1" at -0.957,101.948 h0.25 r180; PIN_NUMBER "21" at 4.741,103.898 h0.25 r180; PIN_NUMBER "3" at -0.957,103.248 h0.25 r180; PIN_NUMBER "9" at -0.957,107.149 h0.25 r180; PIN_NUMBER "23" at 4.741,102.598 h0.25 r180; PIN_NUMBER "15" at 4.741,107.799 h0.25 r180; PIN_NUMBER "10" at -1.059,107.799 h0.25 r180; PIN_NUMBER "4" at -0.957,103.898 h0.25 r180; PIN_NUMBER "17" at 4.741,106.499 h0.25 r180; PIN_NUMBER "20" at 4.741,104.548 h0.25 r180; PIN_NUMBER "5" at -0.957,104.548 h0.25 r180; PIN_NUMBER "12" at -1.059,109.099 h0.25 r180; PIN_NUMBER "22" at 4.741,103.248 h0.25 r180; Bottom Overlay "24" at 6.871,101.664 h0.51; Bottom Overlay "13" at 6.769,108.802 h0.51; Bottom Overlay "12" at -0.851,109.716 h0.51
U51: PIN_NUMBER "20" at 54.736,82.503 h0.25 r270; PIN_NUMBER "23" at 53.236,82.503 h0.25 r270; PIN_NUMBER "21" at 54.236,82.503 h0.25 r270; PIN_NUMBER "22" at 53.736,82.503 h0.25 r270; PIN_NUMBER "49" at 55.613,85.876 h0.25; PIN_NUMBER "19" at 55.236,82.503 h0.25 r270; PIN_NUMBER "30" at 52.113,85.626 h0.25; PIN_NUMBER "41" at 54.736,89.503 h0.25 r270; PIN_NUMBER "27" at 52.113,84.126 h0.25; PIN_NUMBER "15" at 57.236,82.503 h0.25 r270; PIN_NUMBER "45" at 56.736,89.503 h0.25 r270; PIN_NUMBER "16" at 56.736,82.503 h0.25 r270; PIN_NUMBER "5" at 59.215,86.626 h0.25; PIN_NUMBER "8" at 59.215,85.126 h0.25; PIN_NUMBER "2" at 59.215,88.126 h0.25; PIN_NUMBER "44" at 56.236,89.503 h0.25 r270; PIN_NUMBER "1" at 59.215,88.626 h0.25; PIN_NUMBER "33" at 52.113,87.126 h0.25; PIN_NUMBER "38" at 53.236,89.503 h0.25 r270; PIN_NUMBER "28" at 52.113,84.626 h0.25; PIN_NUMBER "37" at 52.736,89.503 h0.25 r270; PIN_NUMBER "4" at 59.215,87.126 h0.25; PIN_NUMBER "7" at 59.215,85.626 h0.25; PIN_NUMBER "18" at 55.736,82.503 h0.25 r270; PIN_NUMBER "47" at 57.736,89.503 h0.25 r270; PIN_NUMBER "11" at 59.113,83.626 h0.25; PIN_NUMBER "35" at 52.113,88.126 h0.25; PIN_NUMBER "25" at 52.113,83.126 h0.25; PIN_NUMBER "34" at 52.113,87.626 h0.25; PIN_NUMBER "10" at 59.113,84.126 h0.25; PIN_NUMBER "6" at 59.215,86.126 h0.25; PIN_NUMBER "42" at 55.236,89.503 h0.25 r270; PIN_NUMBER "24" at 52.736,82.503 h0.25 r270; PIN_NUMBER "31" at 52.113,86.126 h0.25; PIN_NUMBER "46" at 57.236,89.503 h0.25 r270; PIN_NUMBER "17" at 56.236,82.503 h0.25 r270; PIN_NUMBER "12" at 59.113,83.126 h0.25; PIN_NUMBER "43" at 55.736,89.503 h0.25 r270; PIN_NUMBER "36" at 52.113,88.626 h0.25; PIN_NUMBER "26" at 52.113,83.626 h0.25; PIN_NUMBER "29" at 52.113,85.126 h0.25; PIN_NUMBER "9" at 59.215,84.626 h0.25; PIN_NUMBER "3" at 59.215,87.626 h0.25; PIN_NUMBER "32" at 52.113,86.626 h0.25; PIN_NUMBER "39" at 53.736,89.503 h0.25 r270; PIN_NUMBER "40" at 54.236,89.503 h0.25 r270; PIN_NUMBER "48" at 58.236,89.503 h0.25 r270; PIN_NUMBER "13" at 58.236,82.503 h0.25 r270; PIN_NUMBER "14" at 57.736,82.503 h0.25 r270; Bottom Overlay "24" at 53.337,81.138 h0.51 r270; Bottom Overlay "12" at 60.644,83.508 h0.51; Bottom Overlay "13" at 58.356,81.025 h0.51 r270; Bottom Overlay "25" at 51.651,83.082 h0.51; Bottom Overlay "36" at 51.805,88.665 h0.51; Bottom Overlay "37" at 53.989,90.087 h0.51; Bottom Overlay "48" at 58.637,90.087 h0.51
U52: PIN_NUMBER "7" at 62.62,77.233 h0.25 r180; PIN_NUMBER "4" at 56.82,78.533 h0.25 r180; PIN_NUMBER "6" at 62.62,77.883 h0.25 r180; PIN_NUMBER "1" at 56.82,76.583 h0.25 r180; PIN_NUMBER "5" at 62.62,78.533 h0.25 r180; PIN_NUMBER "2" at 56.82,77.233 h0.25 r180; PIN_NUMBER "3" at 56.82,77.883 h0.25 r180; PIN_NUMBER "8" at 62.62,76.583 h0.25 r180; Bottom Overlay "8" at 62.968,75.313 h0.51; Bottom Overlay "5" at 63.019,79.021 h0.51; Bottom Overlay "4" at 56.948,78.945 h0.51
U53: PIN_NUMBER "2" at 53.271,77.496 h0.25 r180; PIN_NUMBER "4" at 51.421,76.046 h0.25 r180; PIN_NUMBER "3" at 53.271,76.046 h0.25 r180; PIN_NUMBER "1" at 51.421,77.496 h0.25 r180; Bottom Overlay "4" at 50.954,74.415 h0.51; Bottom Overlay "3" at 54.129,74.39 h0.51; Bottom Overlay "2" at 53.367,78.505 h0.51
U54: PIN_NUMBER "3" at 6.717,73.777 h0.25 r270; PIN_NUMBER "5" at 8.617,76.177 h0.25 r270; PIN_NUMBER "1" at 8.617,73.777 h0.25 r270; PIN_NUMBER "2" at 7.667,73.777 h0.25 r270; PIN_NUMBER "4" at 6.717,76.177 h0.25 r270; DISPLAY_BOTTOM "5" at -7.361,73.009 h0.51 r270; DISPLAY_BOTTOM "4" at -7.369,72.997 h0.51 r270; Bottom Overlay "3" at 7.037,72.586 h0.51
U56: PIN_NUMBER "4" at 50.619,62.238 h0.25 r270; PIN_NUMBER "6" at 51.619,62.238 h0.25 r270; PIN_NUMBER "3" at 50.619,61.138 h0.25 r270; PIN_NUMBER "2" at 51.119,61.138 h0.25 r270; PIN_NUMBER "5" at 51.119,62.238 h0.25 r270; PIN_NUMBER "1" at 51.619,61.138 h0.25 r270; Bottom Overlay "6" at 52.871,62.486 h0.64 r270; Bottom Overlay "4" at 50.366,62.168 h0.64
U58: PIN_NUMBER "3" at 36.15,48.664 h0.25 r180; PIN_NUMBER "4" at 38.55,48.664 h0.25 r180; PIN_NUMBER "1" at 36.15,46.764 h0.25 r180; PIN_NUMBER "2" at 36.15,47.714 h0.25 r180; PIN_NUMBER "5" at 38.55,46.764 h0.25 r180; Bottom Overlay "5" at 38.787,45.383 h0.51; Bottom Overlay "4" at 38.812,49.142 h0.51; Bottom Overlay "3" at 35.307,48.202 h0.51
U59: PIN_NUMBER "2" at 67.855,47.662 h0.25 r180; PIN_NUMBER "4" at 66.005,46.212 h0.25 r180; PIN_NUMBER "3" at 67.855,46.212 h0.25 r180; PIN_NUMBER "1" at 66.005,47.662 h0.25 r180; Bottom Overlay "4" at 65.076,45.188 h0.51; Bottom Overlay "3" at 69.419,46.255 h0.51; Bottom Overlay "2" at 69.343,47.982 h0.51
U60: PIN_NUMBER "6" at 47.041,128.714 h0.25 r270; PIN_NUMBER "11" at 45.984,130.188 h0.25; PIN_NUMBER "7" at 46.315,128.588 h0.25; PIN_NUMBER "8" at 46.315,128.988 h0.25; PIN_NUMBER "1" at 47.818,130.188 h0.25 r0.05; PIN_NUMBER "9" at 46.315,129.388 h0.25; PIN_NUMBER "10" at 45.984,129.788 h0.25; PIN_NUMBER "12" at 46.939,130.315 h0.25 r270; PIN_NUMBER "5" at 47.615,128.588 h0.25; PIN_NUMBER "4" at 47.615,128.988 h0.25; PIN_NUMBER "3" at 47.615,129.388 h0.25; PIN_NUMBER "2" at 47.615,129.788 h0.25; Bottom Overlay "11" at 45.745,130.031 h0.51; Bottom Overlay "7" at 45.682,128.304 h0.51; Bottom Overlay "6" at 47.917,127.212 h0.51; Bottom Overlay "5" at 49.365,128.329 h0.51
U62: PIN_NUMBER "B1" at 10.369,42.431 h0.25; PIN_NUMBER "A2" at 9.969,42.83 h0.25; PIN_NUMBER "A1" at 10.369,42.83 h0.25; PIN_NUMBER "B2" at 9.969,42.431 h0.25
U63: PIN_NUMBER "8" at 3.693,128.444 h0.25 r270; PIN_NUMBER "16" at 8.141,134.044 h0.25 r270; PIN_NUMBER "14" at 6.841,134.044 h0.25 r270; PIN_NUMBER "11" at 4.891,134.044 h0.25 r270; PIN_NUMBER "5" at 5.643,128.444 h0.25 r270; PIN_NUMBER "2" at 7.593,128.444 h0.25 r270; PIN_NUMBER "12" at 5.541,134.044 h0.25 r270; PIN_NUMBER "9" at 3.693,134.044 h0.25 r270; PIN_NUMBER "7" at 4.343,128.444 h0.25 r270; PIN_NUMBER "4" at 6.293,128.444 h0.25 r270; PIN_NUMBER "3" at 6.943,128.444 h0.25 r270; PIN_NUMBER "6" at 4.993,128.444 h0.25 r270; PIN_NUMBER "10" at 4.241,134.044 h0.25 r270; PIN_NUMBER "13" at 6.191,134.044 h0.25 r270; PIN_NUMBER "1" at 8.243,128.444 h0.25 r270; PIN_NUMBER "15" at 7.491,134.044 h0.25 r270; Bottom Overlay "16" at 9.183,135.02 h0.51; Bottom Overlay "9" at 3.783,135.668 h0.51 r180; Bottom Overlay "8" at 3.659,127.323 h0.51
U65: PIN_NUMBER "14" at 42.555,132.721 h0.25 r270; PIN_NUMBER "8" at 39.406,127.121 h0.25 r270; PIN_NUMBER "16" at 43.855,132.721 h0.25 r270; PIN_NUMBER "4" at 42.007,127.121 h0.25 r270; PIN_NUMBER "7" at 40.056,127.121 h0.25 r270; PIN_NUMBER "9" at 39.406,132.721 h0.25 r270; PIN_NUMBER "1" at 43.956,127.121 h0.25 r270; PIN_NUMBER "2" at 43.306,127.121 h0.25 r270; PIN_NUMBER "5" at 41.356,127.121 h0.25 r270; PIN_NUMBER "12" at 41.255,132.721 h0.25 r270; PIN_NUMBER "15" at 43.205,132.721 h0.25 r270; PIN_NUMBER "13" at 41.905,132.721 h0.25 r270; PIN_NUMBER "10" at 39.955,132.721 h0.25 r270; PIN_NUMBER "11" at 40.605,132.721 h0.25 r270; PIN_NUMBER "3" at 42.657,127.121 h0.25 r270; PIN_NUMBER "6" at 40.706,127.121 h0.25 r270; Bottom Overlay "16" at 44.45,133.071 h0.51 r270; Bottom Overlay "9" at 39.37,133.794 h0.51 r270; Bottom Overlay "8" at 39.504,125.564 h0.51
U66: PIN_NUMBER "42" at 70.02,42.652 h0.25 r270; PIN_NUMBER "43" at 70.52,42.652 h0.25 r270; PIN_NUMBER "45" at 71.52,42.652 h0.25 r270; PIN_NUMBER "33" at 66.897,40.274 h0.25; PIN_NUMBER "48" at 73.02,42.652 h0.25 r270; PIN_NUMBER "46" at 72.02,42.652 h0.25 r270; PIN_NUMBER "20" at 69.52,35.651 h0.25 r270; PIN_NUMBER "21" at 69.02,35.651 h0.25 r270; PIN_NUMBER "49" at 70.397,39.025 h0.25; PIN_NUMBER "15" at 72.02,35.651 h0.25 r270; PIN_NUMBER "26" at 66.897,36.775 h0.25; PIN_NUMBER "47" at 72.52,42.652 h0.25 r270; PIN_NUMBER "36" at 66.897,41.775 h0.25; PIN_NUMBER "44" at 71.02,42.652 h0.25 r270; PIN_NUMBER "25" at 66.897,36.275 h0.25; PIN_NUMBER "17" at 71.02,35.651 h0.25 r270; PIN_NUMBER "16" at 71.52,35.651 h0.25 r270; PIN_NUMBER "24" at 67.52,35.651 h0.25 r270; PIN_NUMBER "32" at 66.897,39.775 h0.25; PIN_NUMBER "31" at 66.897,39.274 h0.25; PIN_NUMBER "28" at 66.897,37.775 h0.25; PIN_NUMBER "27" at 66.897,37.274 h0.25; PIN_NUMBER "11" at 73.897,36.775 h0.25; PIN_NUMBER "10" at 73.897,37.274 h0.25; PIN_NUMBER "9" at 73.999,37.775 h0.25; PIN_NUMBER "30" at 66.897,38.775 h0.25; PIN_NUMBER "29" at 66.897,38.274 h0.25; PIN_NUMBER "34" at 66.897,40.775 h0.25; PIN_NUMBER "8" at 73.999,38.274 h0.25; PIN_NUMBER "35" at 66.897,41.274 h0.25; PIN_NUMBER "23" at 68.02,35.651 h0.25 r270; PIN_NUMBER "18" at 70.52,35.651 h0.25 r270; PIN_NUMBER "22" at 68.52,35.651 h0.25 r270; PIN_NUMBER "4" at 73.999,40.274 h0.25; PIN_NUMBER "2" at 73.999,41.274 h0.25; PIN_NUMBER "1" at 73.999,41.775 h0.25; PIN_NUMBER "37" at 67.52,42.652 h0.25 r270; PIN_NUMBER "7" at 73.999,38.775 h0.25; PIN_NUMBER "3" at 73.999,40.775 h0.25; PIN_NUMBER "41" at 69.52,42.652 h0.25 r270; PIN_NUMBER "5" at 73.999,39.775 h0.25; PIN_NUMBER "6" at 73.999,39.274 h0.25; PIN_NUMBER "19" at 70.02,35.651 h0.25 r270; PIN_NUMBER "12" at 73.897,36.275 h0.25; PIN_NUMBER "14" at 72.52,35.651 h0.25 r270; PIN_NUMBER "13" at 73.02,35.651 h0.25 r270; PIN_NUMBER "40" at 69.02,42.652 h0.25 r270; PIN_NUMBER "38" at 68.02,42.652 h0.25 r270; PIN_NUMBER "39" at 68.52,42.652 h0.25 r270; DISPLAY_BOTTOM "36" at 85.663,40.566 h0.64; DISPLAY_BOTTOM "25" at 82.869,34.647 h0.64; Bottom Overlay "48" at 74.411,43.309 h0.51; Bottom Overlay "37" at 66.681,43.216 h0.51 r270; Bottom Overlay "24" at 68.746,34.241 h0.51; Bottom Overlay "13" at 72.599,33.614 h0.51 r270; Bottom Overlay "12" at 76.087,35.663 h0.51
U67: PIN_NUMBER "9" at 31.408,37.609 h0.25 r180; PIN_NUMBER "11" at 31.307,35.309 h0.25 r180; PIN_NUMBER "3" at 27.958,36.459 h0.25 r180; PIN_NUMBER "1" at 28.133,35.309 h0.25 r180; PIN_NUMBER "2" at 27.958,35.934 h0.25 r180; PIN_NUMBER "6" at 28.709,37.805 h0.25 r90; PIN_NUMBER "10" at 30.707,36.417 h0.25 r180; PIN_NUMBER "13" at 29.005,34.504 h0.25 r90; PIN_NUMBER "14" at 28.505,34.504 h0.25 r90; PIN_NUMBER "4" at 27.958,36.984 h0.25 r180; PIN_NUMBER "5" at 28.133,37.609 h0.25 r180; PIN_NUMBER "7" at 29.208,37.805 h0.25 r90; PIN_NUMBER "12" at 30.157,35.009 h0.25 r180; PIN_NUMBER "8" at 30.258,37.867 h0.25 r180; DISPLAY_BOTTOM "14" at -6.514,34.715 h0.51; Bottom Overlay "6" at 28.957,38.754 h0.51; Bottom Overlay "11" at 33.233,34.742 h0.51; Bottom Overlay "9" at 32.64,37.772 h0.51 r180; Bottom Overlay "5" at 27.306,37.611 h0.51
U68: PIN_NUMBER "51" at 15.894,32.915 h0.25 r90; PIN_NUMBER "20" at 15.894,39.615 h0.25 r90; PIN_NUMBER "59" at 17.417,36.265 h0.25 r180; PIN_NUMBER "47" at 17.494,32.915 h0.25 r90; PIN_NUMBER "45" at 18.294,32.915 h0.25 r90; PIN_NUMBER "31" at 19.717,38.192 h0.25 r180; PIN_NUMBER "30" at 19.717,38.592 h0.25 r180; PIN_NUMBER "48" at 17.094,32.915 h0.25 r90; PIN_NUMBER "43" at 19.094,32.915 h0.25 r90; PIN_NUMBER "41" at 19.717,34.192 h0.25 r180; PIN_NUMBER "40" at 19.717,34.592 h0.25 r180; PIN_NUMBER "54" at 14.694,32.915 h0.25 r90; PIN_NUMBER "55" at 14.294,32.915 h0.25 r90; PIN_NUMBER "50" at 16.294,32.915 h0.25 r90; PIN_NUMBER "53" at 15.094,32.915 h0.25 r90; PIN_NUMBER "24" at 17.494,39.615 h0.25 r90; PIN_NUMBER "26" at 18.294,39.615 h0.25 r90; PIN_NUMBER "13" at 13.017,38.792 h0.25 r180; PIN_NUMBER "3" at 13.119,34.792 h0.25 r180; PIN_NUMBER "49" at 16.694,32.915 h0.25 r90; PIN_NUMBER "9" at 13.119,36.992 h0.25 r180; PIN_NUMBER "21" at 16.294,39.615 h0.25 r90; PIN_NUMBER "35" at 19.717,36.592 h0.25 r180; PIN_NUMBER "5" at 13.119,35.392 h0.25 r180; PIN_NUMBER "36" at 19.717,36.192 h0.25 r180; PIN_NUMBER "37" at 19.717,35.792 h0.25 r180; PIN_NUMBER "38" at 19.717,35.392 h0.25 r180; PIN_NUMBER "39" at 19.717,34.992 h0.25 r180; PIN_NUMBER "44" at 18.694,32.915 h0.25 r90; PIN_NUMBER "27" at 18.694,39.615 h0.25 r90; PIN_NUMBER "28" at 19.094,39.615 h0.25 r90; PIN_NUMBER "32" at 19.717,37.792 h0.25 r180; PIN_NUMBER "6" at 13.119,35.792 h0.25 r180; PIN_NUMBER "29" at 19.717,38.992 h0.25 r180; PIN_NUMBER "33" at 19.717,37.392 h0.25 r180; PIN_NUMBER "10" at 13.017,37.392 h0.25 r180; PIN_NUMBER "23" at 17.094,39.615 h0.25 r90; PIN_NUMBER "16" at 14.294,39.615 h0.25 r90; PIN_NUMBER "22" at 16.694,39.615 h0.25 r90; PIN_NUMBER "25" at 17.894,39.615 h0.25 r90; PIN_NUMBER "1" at 13.119,33.992 h0.25 r180; PIN_NUMBER "11" at 13.017,37.992 h0.25 r180; PIN_NUMBER "8" at 13.119,36.592 h0.25 r180; PIN_NUMBER "15" at 13.894,39.615 h0.25 r90; PIN_NUMBER "19" at 15.494,39.615 h0.25 r90; PIN_NUMBER "58" at 14.492,37.74 h0.25 r180; PIN_NUMBER "7" at 13.119,36.192 h0.25 r180; PIN_NUMBER "52" at 15.494,32.915 h0.25 r90; PIN_NUMBER "56" at 13.894,32.915 h0.25 r90; PIN_NUMBER "57" at 14.492,34.815 h0.25 r180; PIN_NUMBER "46" at 17.894,32.915 h0.25 r90; PIN_NUMBER "42" at 19.717,33.792 h0.25 r180; PIN_NUMBER "17" at 14.694,39.615 h0.25 r90; PIN_NUMBER "18" at 15.094,39.615 h0.25 r90; PIN_NUMBER "34" at 19.717,36.992 h0.25 r180; Bottom Overlay "56" at 13.36,31.75 h0.51; Bottom Overlay "43" at 20.588,31.794 h0.51; Bottom Overlay "42" at 20.419,33.31 h0.51 r270; Bottom Overlay "29" at 20.596,38.186 h0.51 r270; Bottom Overlay "28" at 18.962,40.362 h0.51; Bottom Overlay "15" at 12.917,40.438 h0.51; Bottom Overlay "13" at 12.663,38.432 h0.51
U69: PIN_NUMBER "1" at 6.498,36.459 h0.25; PIN_NUMBER "2" at 6.498,35.809 h0.25; PIN_NUMBER "3" at 6.498,35.159 h0.25; PIN_NUMBER "7" at 5.448,35.809 h0.25; PIN_NUMBER "4" at 4.398,35.159 h0.25; PIN_NUMBER "5" at 4.398,35.809 h0.25; PIN_NUMBER "6" at 4.398,36.459 h0.25; Bottom Overlay "6" at 3.962,36.275 h0.64; Bottom Overlay "4" at 3.962,35.005 h0.64; Bottom Overlay "3" at 7.772,34.857 h0.64
U70: PIN_NUMBER "25" at 52.315,31.472 h0.25 r90; PIN_NUMBER "33" at 50.438,34.098 h0.25 r180; PIN_NUMBER "30" at 49.815,31.472 h0.25 r90; PIN_NUMBER "29" at 50.315,31.472 h0.25 r90; PIN_NUMBER "31" at 49.315,31.472 h0.25 r90; PIN_NUMBER "27" at 51.315,31.472 h0.25 r90; PIN_NUMBER "12" at 50.315,36.471 h0.25 r90; PIN_NUMBER "32" at 48.815,31.472 h0.25 r90; PIN_NUMBER "26" at 51.815,31.472 h0.25 r90; PIN_NUMBER "5" at 48.04,34.348 h0.25 r180; PIN_NUMBER "10" at 49.315,36.471 h0.25 r90; PIN_NUMBER "28" at 50.815,31.472 h0.25 r90; PIN_NUMBER "16" at 52.315,36.471 h0.25 r90; PIN_NUMBER "9" at 48.917,36.471 h0.25 r90; PIN_NUMBER "4" at 48.04,33.849 h0.25 r180; PIN_NUMBER "14" at 51.315,36.471 h0.25 r90; PIN_NUMBER "15" at 51.815,36.471 h0.25 r90; PIN_NUMBER "17" at 52.938,35.849 h0.25 r180; PIN_NUMBER "6" at 48.04,34.849 h0.25 r180; PIN_NUMBER "7" at 48.04,35.348 h0.25 r180; PIN_NUMBER "3" at 48.04,33.348 h0.25 r180; PIN_NUMBER "8" at 48.04,35.849 h0.25 r180; PIN_NUMBER "23" at 52.938,32.849 h0.25 r180; PIN_NUMBER "24" at 52.938,32.348 h0.25 r180; PIN_NUMBER "21" at 52.938,33.849 h0.25 r180; PIN_NUMBER "22" at 52.938,33.348 h0.25 r180; PIN_NUMBER "19" at 52.938,34.849 h0.25 r180; PIN_NUMBER "20" at 52.938,34.348 h0.25 r180; PIN_NUMBER "11" at 49.815,36.471 h0.25 r90; PIN_NUMBER "1" at 48.04,32.348 h0.25 r180; PIN_NUMBER "2" at 48.04,32.849 h0.25 r180; PIN_NUMBER "18" at 52.938,35.348 h0.25 r180; PIN_NUMBER "13" at 50.815,36.471 h0.25 r90; DISPLAY_BOTTOM "32" at 83.648,31.227 h0.51 r90; Bottom Overlay "25" at 53.746,30.48 h0.51; Bottom Overlay "24" at 54.573,31.896 h0.51; Bottom Overlay "17" at 54.649,35.426 h0.51; Bottom Overlay "16" at 52.27,37.12 h0.51 r270; Bottom Overlay "9" at 49.049,37.179 h0.51; Bottom Overlay "8" at 47.321,35.477 h0.51
U71: PIN_NUMBER "3" at 58.322,33.939 h0.25 r90; PIN_NUMBER "2" at 57.372,33.939 h0.25 r90; PIN_NUMBER "4" at 58.322,31.539 h0.25 r90; PIN_NUMBER "1" at 56.422,33.939 h0.25 r90; PIN_NUMBER "5" at 56.422,31.539 h0.25 r90; Bottom Overlay "5" at 55.678,31.21 h0.51; Bottom Overlay "4" at 59.209,31.413 h0.51; Bottom Overlay "3" at 58.584,34.559 h0.51
U72: PIN_NUMBER "2" at 52.5,27.726 h0.25 r180; PIN_NUMBER "1" at 52.525,27.227 h0.25 r180; PIN_NUMBER "3" at 52.5,28.226 h0.25 r180; PIN_NUMBER "4" at 53.1,28.226 h0.25 r180; PIN_NUMBER "6" at 53.1,27.227 h0.25 r180; PIN_NUMBER "5" at 53.1,27.726 h0.25 r180; Bottom Overlay "6" at 53.951,26.511 h0.51; Bottom Overlay "4" at 53.468,28.746 h0.51; Bottom Overlay "3" at 52.249,28.06 h0.51